# Altium PCB 4090ovo(003).pcbdoc (part 1 of 3)
Units mil, origin at the board's own origin, x right, y up, seen from the top; angles counter-clockwise.
Board outline 18925 x 10730 mil, 6 copper layers (Top Layer, Inner1, Inner2, Inner3, Inner4, Bottom Layer); 77 components, 121 nets, 755 pads, 1164 vias.
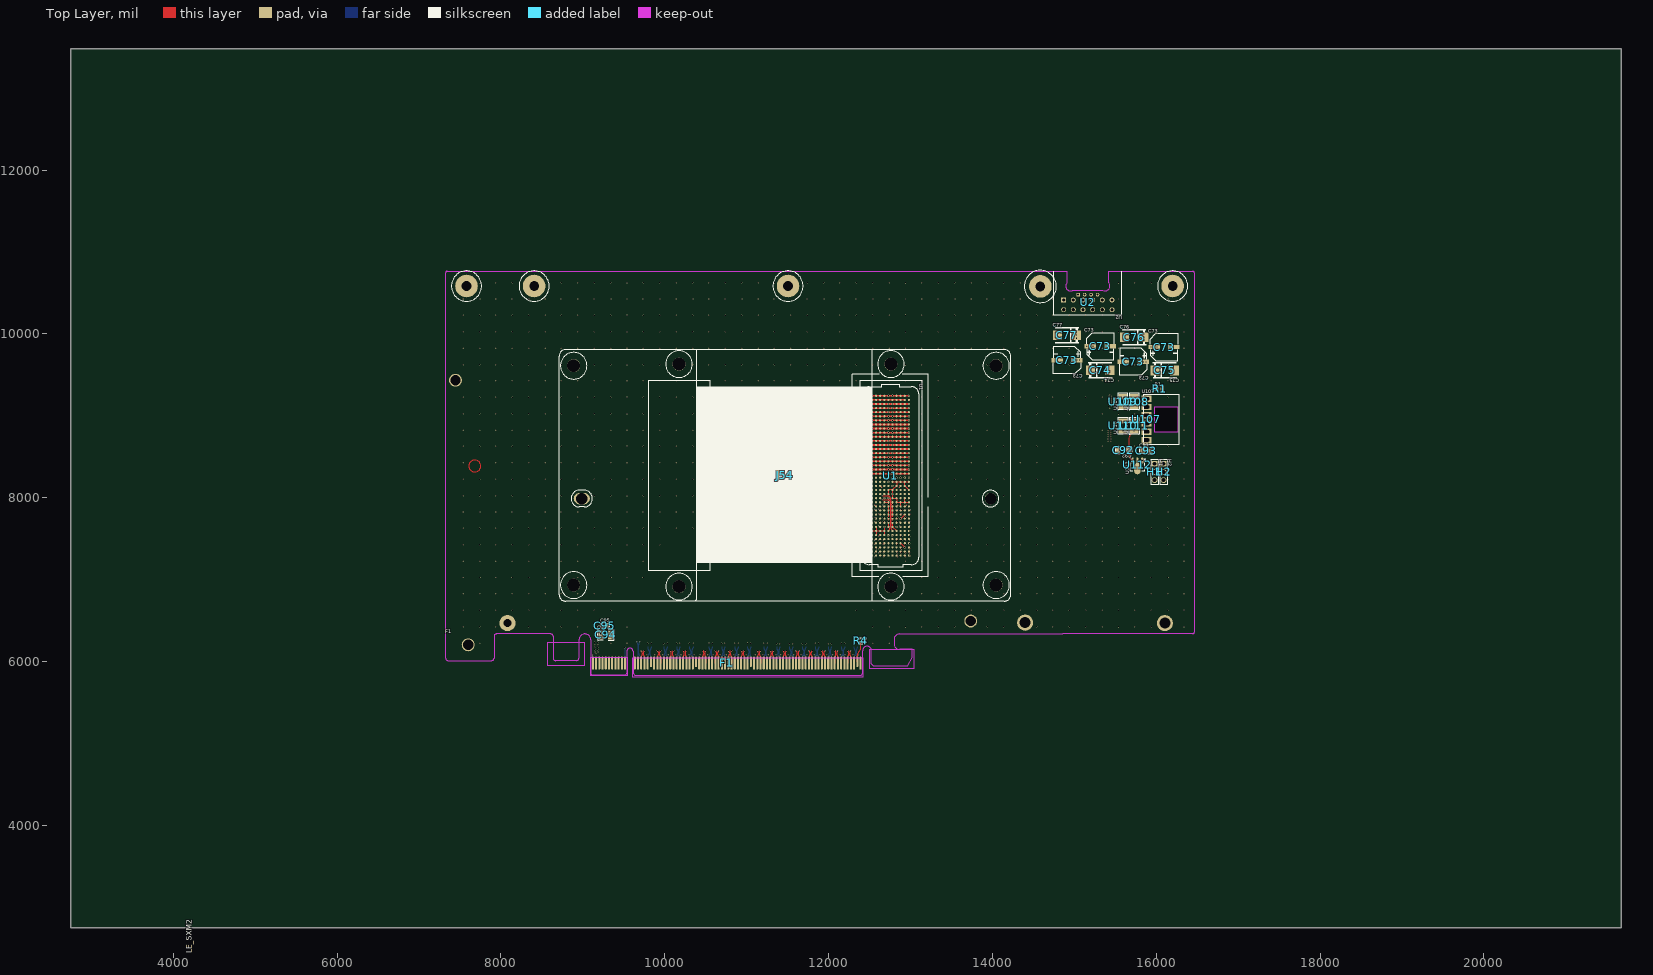
[diagram p0: Top Layer view]
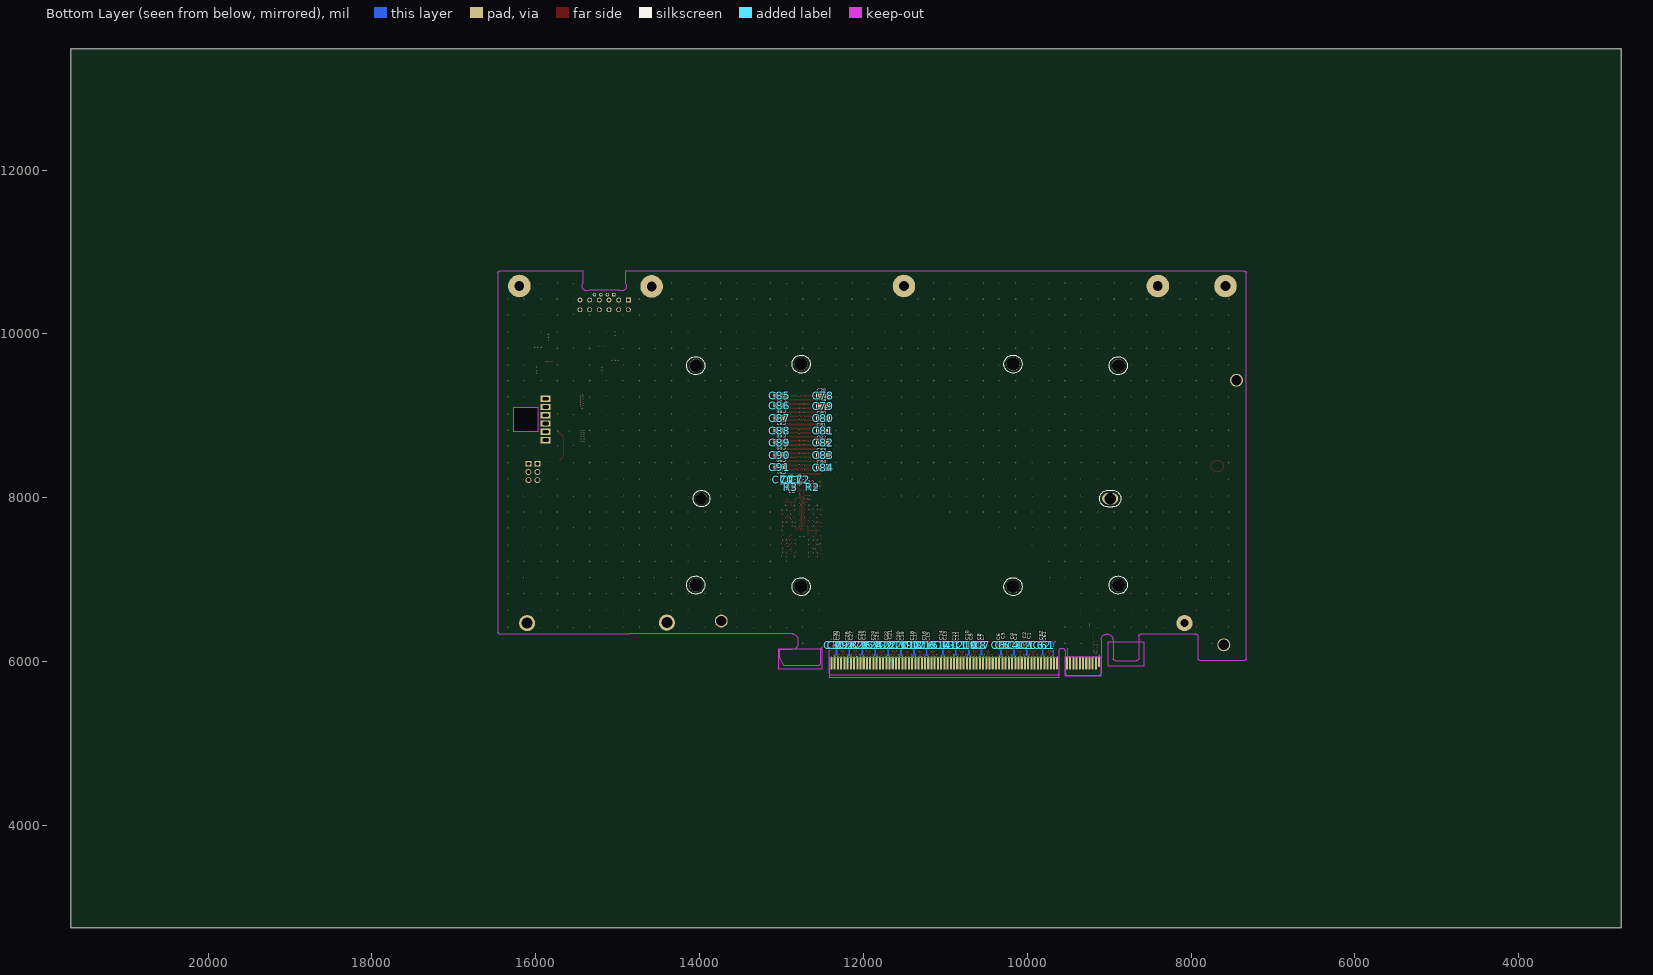
[diagram p1: Bottom Layer view, seen from below]
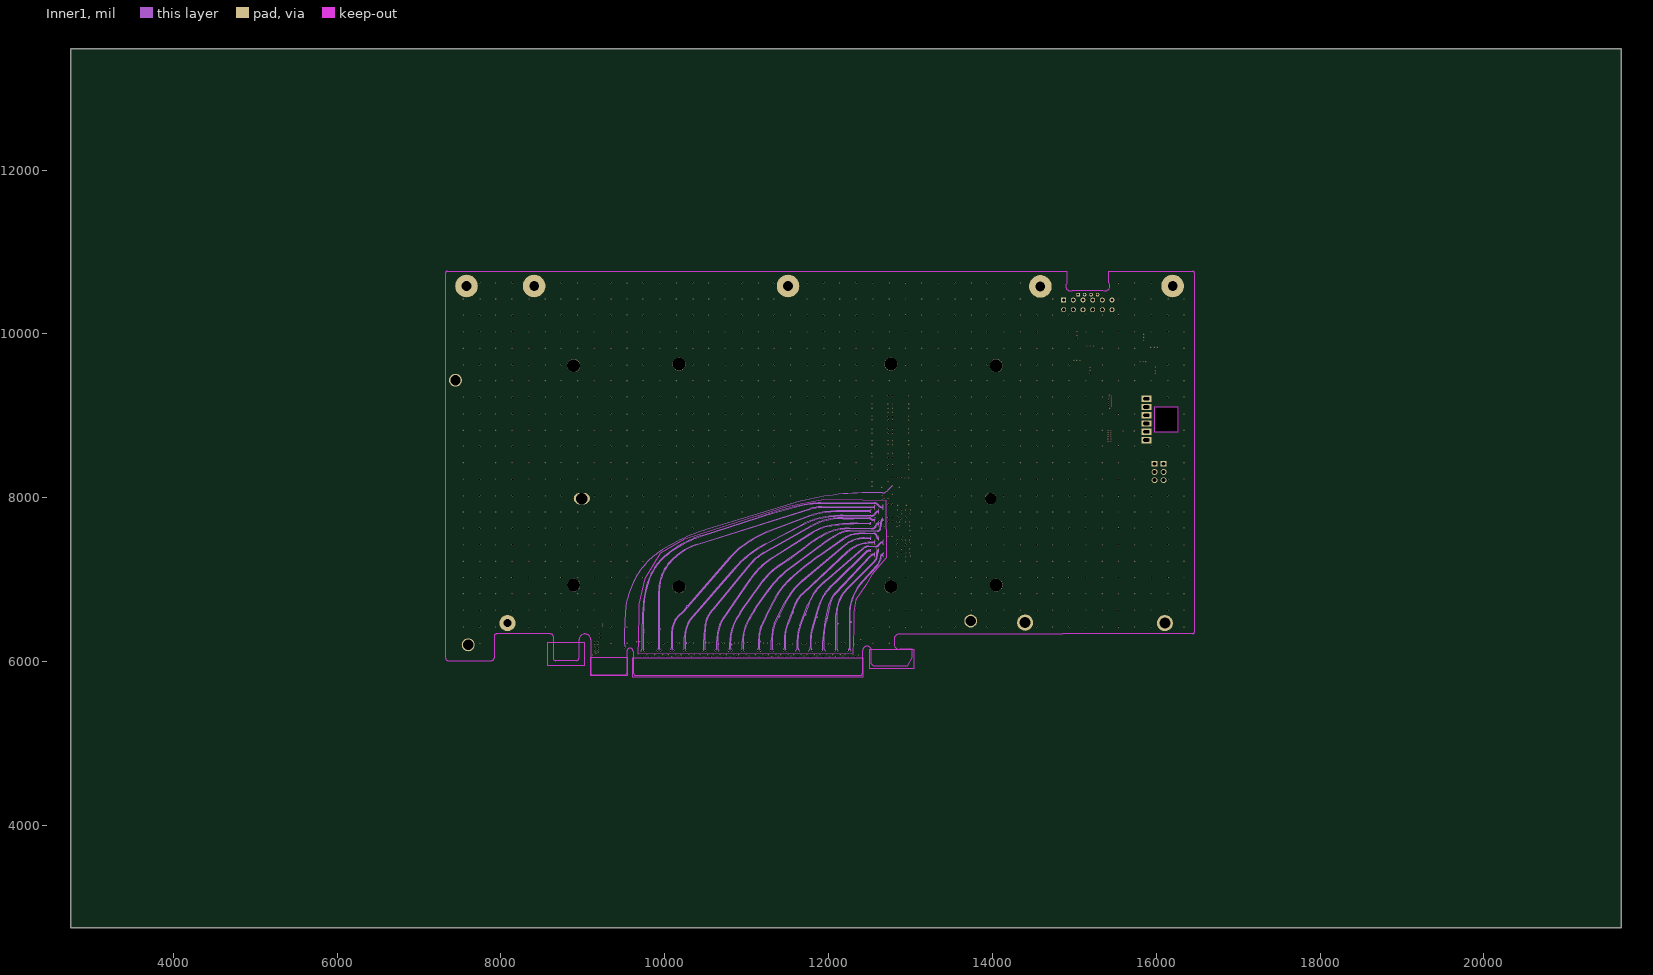
[diagram p2: Inner1]
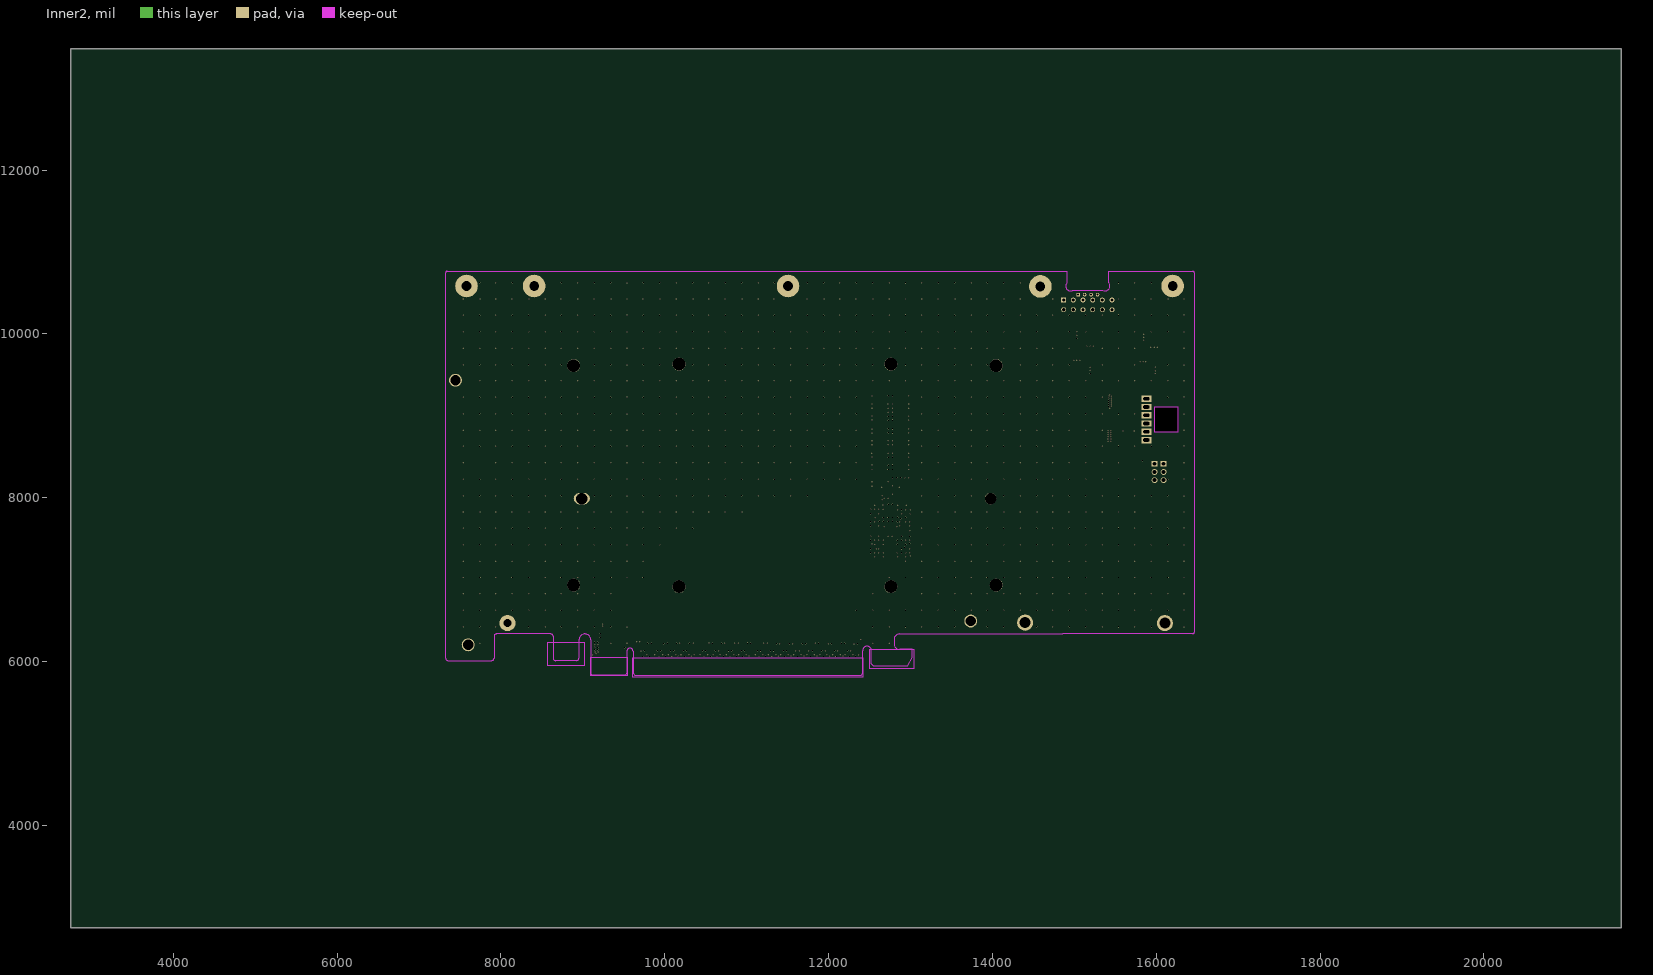
[diagram p3: Inner2]
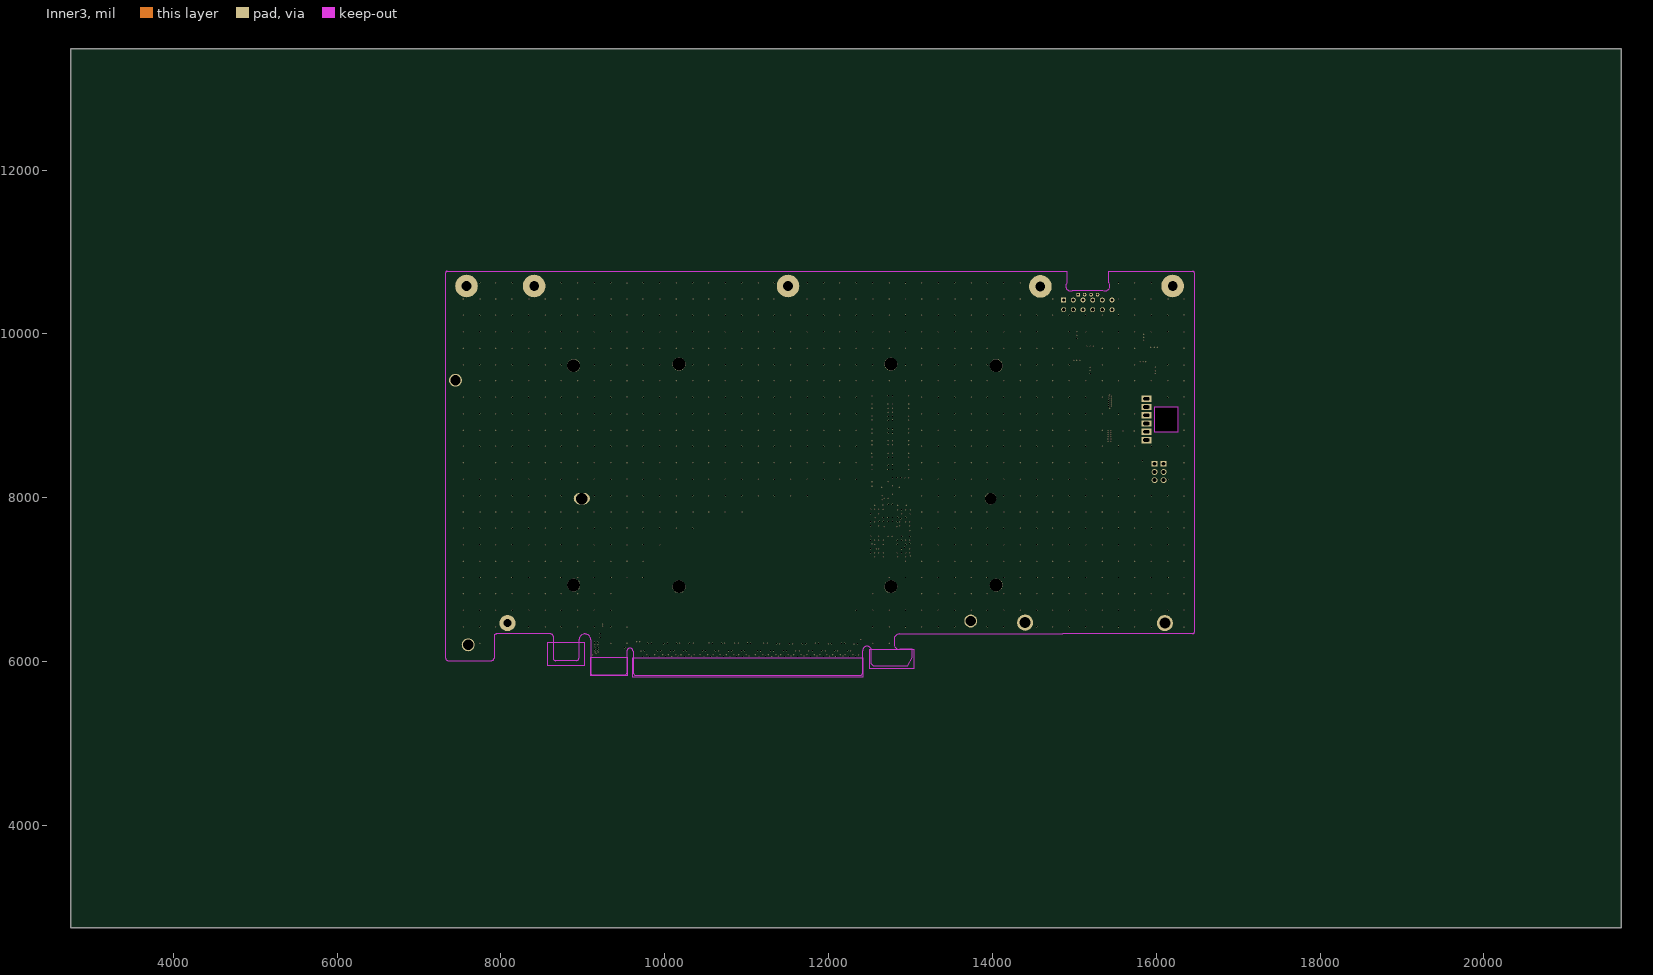
[diagram p4: Inner3]
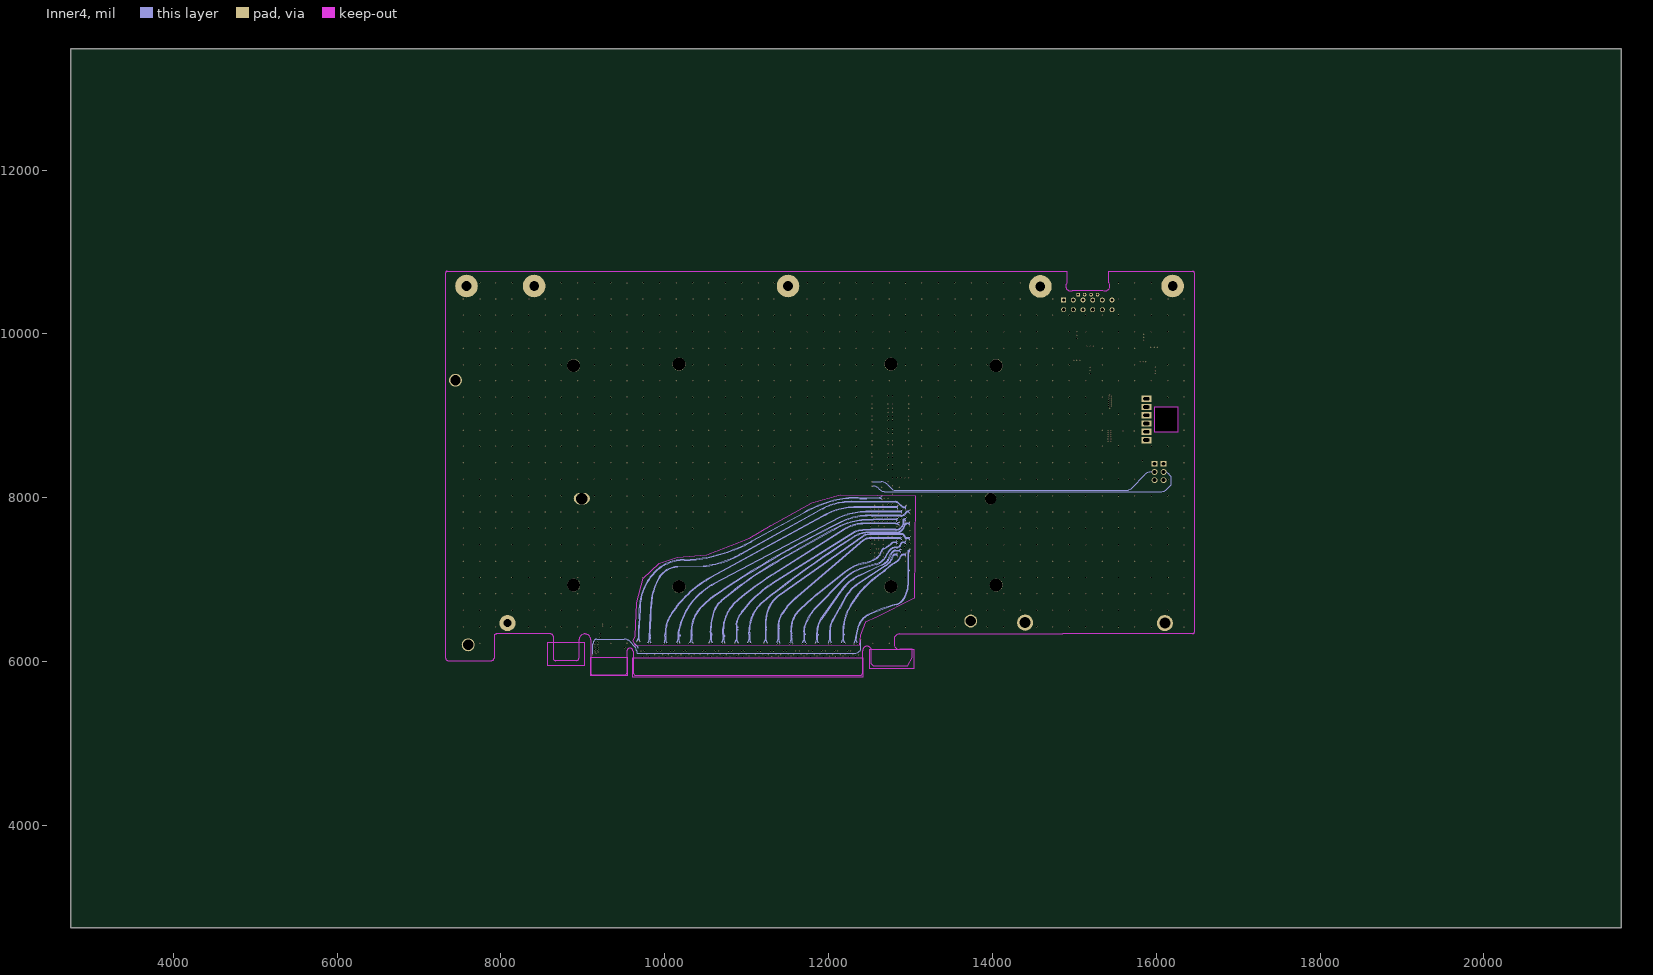
[diagram p5: Inner4]

## Layer stack, top to bottom
Top Layer: signal copper (thickness not stored)
Dielectric: dielectric 12.6, FR-4, Dk 4.8
Inner1: signal copper (thickness not stored)
Dielectric: dielectric 12.6, FR-4, Dk 4.8
Inner2: signal copper (thickness not stored)
Dielectric: dielectric 12.6, FR-4, Dk 4.8
Inner3: signal copper (thickness not stored)
Dielectric: dielectric 12.6, FR-4, Dk 4.8
Inner4: signal copper (thickness not stored)
Dielectric: dielectric 12.6, FR-4, Dk 4.8
Bottom Layer: signal copper (thickness not stored)

## Board outline
21675,2750 2750,2750 2750,13480 21675,13480

## Design rules (kind name [scope] priority, off if disabled: settings)
BoardOutlineClearance Default [All] p0: genericclearance=10 ignorepadtopadclearanceinfootprint=FALSE except(0: Region-CutoutEdge Arc-SplitContinuation Track-SplitContinuation SMDPad-SplitContinuation THPad-SplitContinuation Via-SplitContinuation Fill-SplitContinuation Poly-SplitContinuation Region-SplitContinuation Text-SplitContinuation; 6: Track-OutlineEdge SMDPad-OutlineEdge THPad-OutlineEdge Via-OutlineEdge Fill-OutlineEdge Region-OutlineEdge Poly-OutlineEdge Text-OutlineEdge Track-CutoutEdge SMDPad-CutoutEdge THPad-CutoutEdge Via-CutoutEdge Fill-CutoutEdge)
Clearance Default [(InNet('GND') OR InNet('PERST#') OR InNet('+5V') OR InNet('PRSNT1') OR InNet('TX8-') OR InNet('TX15-') OR InNet('TX7-') OR InNet('TX3-') OR InNet('TX0-') OR InNet('TX6-') OR InNet('TX9-') OR InNet('TX12-') OR InNet('TX10-') OR InNet('TX1-') OR InNet('TX4-') OR InNet('TX13-') OR InNet('RX8-') OR InNet('RX8+') OR InNet('+3V3') OR InNet('CLK+') OR InNet('CLK-') OR InNet('PCIET0+') OR InNet('PCIET0-') OR InNet('PCIET1+') OR InNet('PCIET1-') OR InNet('PCIET2+') OR InNet('PCIET2-') OR InNet('PCIET3+') OR InNet('PCIET3-') OR InNet('PCIET5+') OR InNet('PCIET5-') OR InNet('PCIET6+') OR InNet('PCIET6-') OR InNet('PCIET7+') OR InNet('PCIET7-') OR InNet('PCIET8+') OR InNet('PCIET8-') OR InNet('PCIET9+') OR InNet('PCIET9-') OR InNet('PCIET10+') OR InNet('PCIET10-') OR InNet('PCIET11+') OR InNet('PCIET11-') OR InNet('PCIET12+') OR InNet('PCIET12-') OR InNet('PCIET13+') OR InNet('PCIET13-') OR InNet('PCIET14+') OR InNet('PCIET14-') OR InNet('PCIET15+') OR InNet('PCIET15-') OR InNet('RX11-') OR InNet('RX0-') OR InNet('RX15-') OR InNet('RX3-') OR InNet('RX1-') OR InNet('RX10-') OR InNet('RX4-') OR InNet('RX9-') OR InNet('RX12-') OR InNet('RX5-') OR InNet('PRSNT2') OR InNet('I2CADDR1') OR InNet('PWR_EN') OR InNet('I2CADDR0') OR InNet('+12V') OR InNet('RX7-') OR InNet('RX0+') OR InNet('RX11+') OR InNet('RX15+') OR InNet('RX7+') OR InNet('RX6+') OR InNet('RX14-') OR InNet('RX3+') OR InNet('RX6-') OR InNet('RX14+') OR InNet('RX13-') OR InNet('RX4+') OR InNet('RX10+') OR InNet('RX1+') OR InNet('RX13+') OR InNet('RX12+') OR InNet('RX5+') OR InNet('RX9+') OR InNet('RX2+') OR InNet('RX2-') OR InNet('TX3+') OR InNet('TX8+') OR InNet('TX7+') OR InNet('TX15+') OR InNet('TX0+') OR InNet('TX14-') OR InNet('TX11+') OR InNet('TX6+') OR InNet('TX14+') OR InNet('TX11-') OR InNet('TX5-') OR InNet('TX9+') OR InNet('TX2+') OR InNet('TX12+') OR InNet('TX2-') OR InNet('TX5+') OR InNet('TX1+') OR InNet('TX10+') OR InNet('TX4+') OR InNet('TX13+') OR InNet('PCIET4+') OR InNet('PCIET4-') OR InNet('JTAG_TRST#') OR InNet('ADJ') OR InNet('SXM_PRSNT2') OR InNet('PWR_GOOD') OR InNet('PRSNT2#_SXM') OR InNet('PWR_BRAKE#') OR InNet('JTAG_TDI') OR InNet('JTAG_TDO') OR InNet('JTAG_TCLK') OR InNet('JTAG_SEL') OR InNet('JTAG_TMS') OR InNet('THERM_OVER#') OR InNet('1.8V'))] p1: gap=7 ignorepadtopadclearanceinfootprint=FALSE except(0: Region-Region Region-Text Text-Text; 3: Track-SMDPad Track-THPad Track-Hole; 4: SMDPad-Via THPad-Via Via-Hole; 6: Track-Track SMDPad-SMDPad SMDPad-THPad THPad-THPad Track-Via Via-Via Track-Fill SMDPad-Fill THPad-Fill Via-Fill Fill-Fill Track-Region SMDPad-Region THPad-Region Via-Region Fill-Region Track-Poly SMDPad-Poly THPad-Poly Via-Poly Fill-Poly Region-Poly Poly-Poly Track-Text SMDPad-Text THPad-Text Via-Text Fill-Text Poly-Text Track-Sheet SMDPad-Sheet THPad-Sheet Via-Sheet Fill-Sheet Region-Sheet Poly-Sheet Text-Sheet SMDPad-Hole THPad-Hole Fill-Hole Region-Hole Poly-Hole Text-Hole Sheet-Hole)
DiffPairsRouting differentialPair [All] p1: maxuncoupledlength=5 minlimit=4 maxlimit=4 mostfreqgap=4 toplayer_minwidth=4 toplayer_prefwidth=4.5 toplayer_maxwidth=100 bottomlayer_minwidth=4 bottomlayer_prefwidth=4.5 bottomlayer_maxwidth=100 midlayer1_minwidth=4 midlayer1_prefwidth=4.5 midlayer1_maxwidth=100 midlayer2_minwidth=4 midlayer2_prefwidth=4.5 midlayer2_maxwidth=100 midlayer3_minwidth=4 midlayer3_prefwidth=4.5 midlayer3_maxwidth=100 midlayer4_minwidth=4 midlayer4_prefwidth=4.5 midlayer4_maxwidth=100
PasteMaskExpansion Common [All] p1: expansion=0
PlaneConnect Default [All] p1: planeconnectstyle=Relief reliefexpansion=20 reliefentries=4 reliefconductorwidth=0 reliefairgap=10
PolygonConnect copperRegion [All] p1: connectstyle=Direct reliefentries=4 reliefconductorwidth=10 polygonreliefangle="90 Angle" airgapwidth=10
PolygonConnect copperRegion1 [All] p1: connectstyle=Direct reliefentries=4 reliefconductorwidth=10 polygonreliefangle="90 Angle" airgapwidth=10
RoutingVias Default [All] p1: viastyle="Through Hole" holewidth=11.8 minholewidth=0.1 maxholewidth=2362 width=17.7 minwidth=0.1 maxwidth=3938
SolderMaskExpansion Common [All] p1: useseparateexpansions=TRUE expansion=2 expansionbottom=2
Width Default [All] p1: maxlimit=1000 minlimit=4 preferedwidth=4
Width trackWidth1 [All] p1: maxlimit=100 minlimit=4 preferedwidth=5
